# Altium PCB PCB1.PcbDoc (part 1 of 5)
Units mm, origin at the board's own origin, x right, y up, seen from the top; angles counter-clockwise.
Board outline 200 x 70 mm, 6 copper layers (Top Layer, Int1 (GND), Int2 (Sign), Int3 (Sign), Int4 (GND), Bottom Layer), stack 1.597 mm thick; 431 components, 275 nets, 1294 pads, 544 vias.
Unrouted connection lines stored in the file: 265.
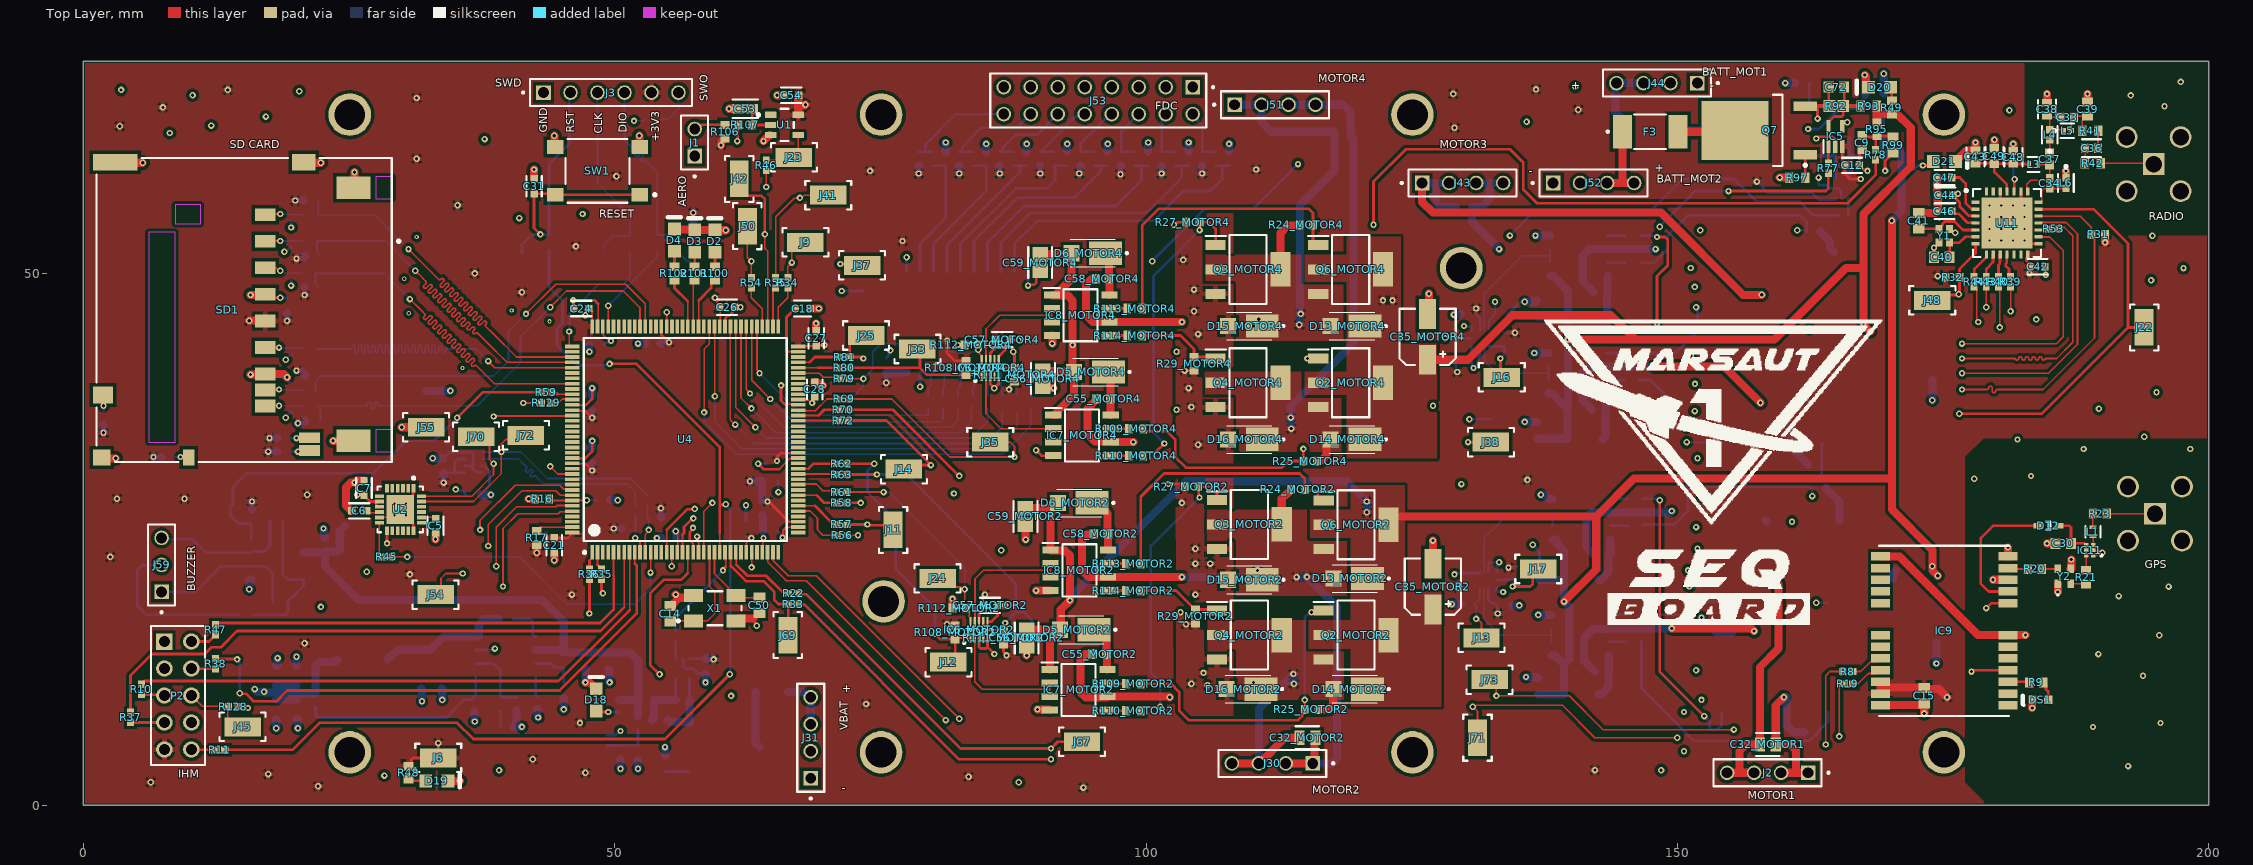
[diagram p0: Top Layer view]
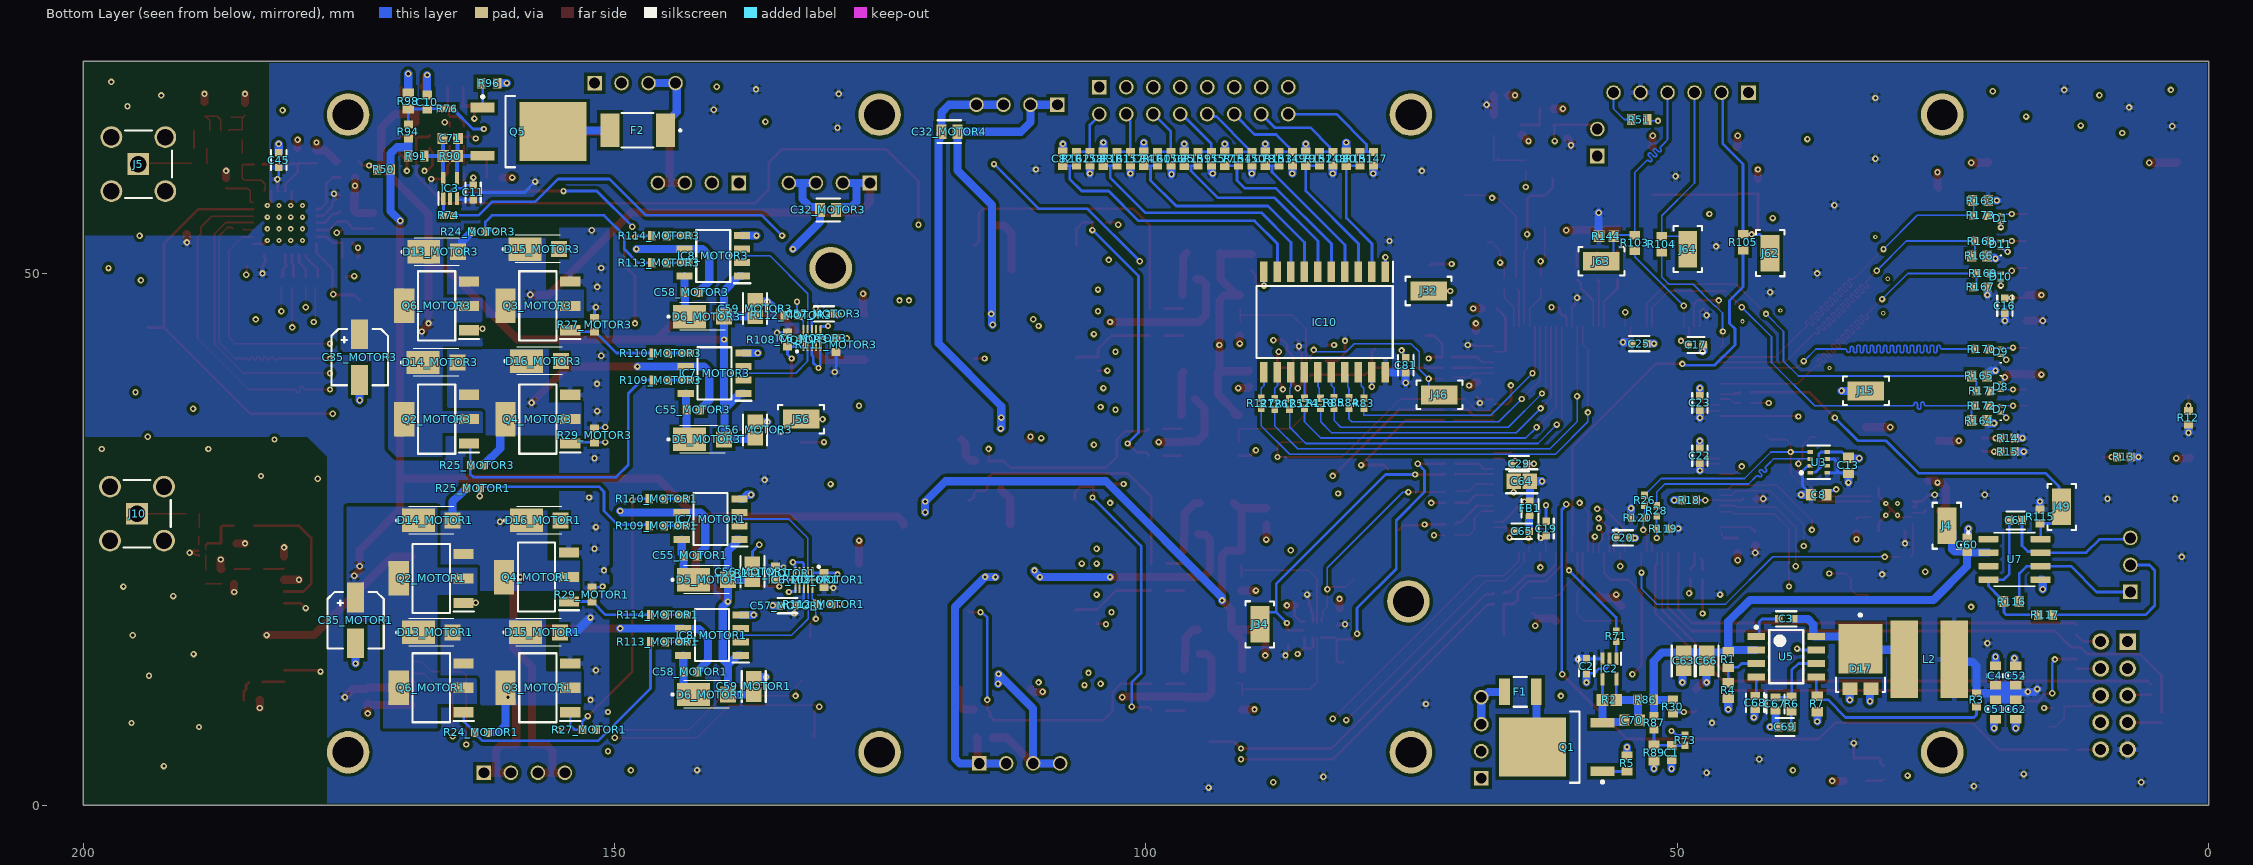
[diagram p1: Bottom Layer view, seen from below]
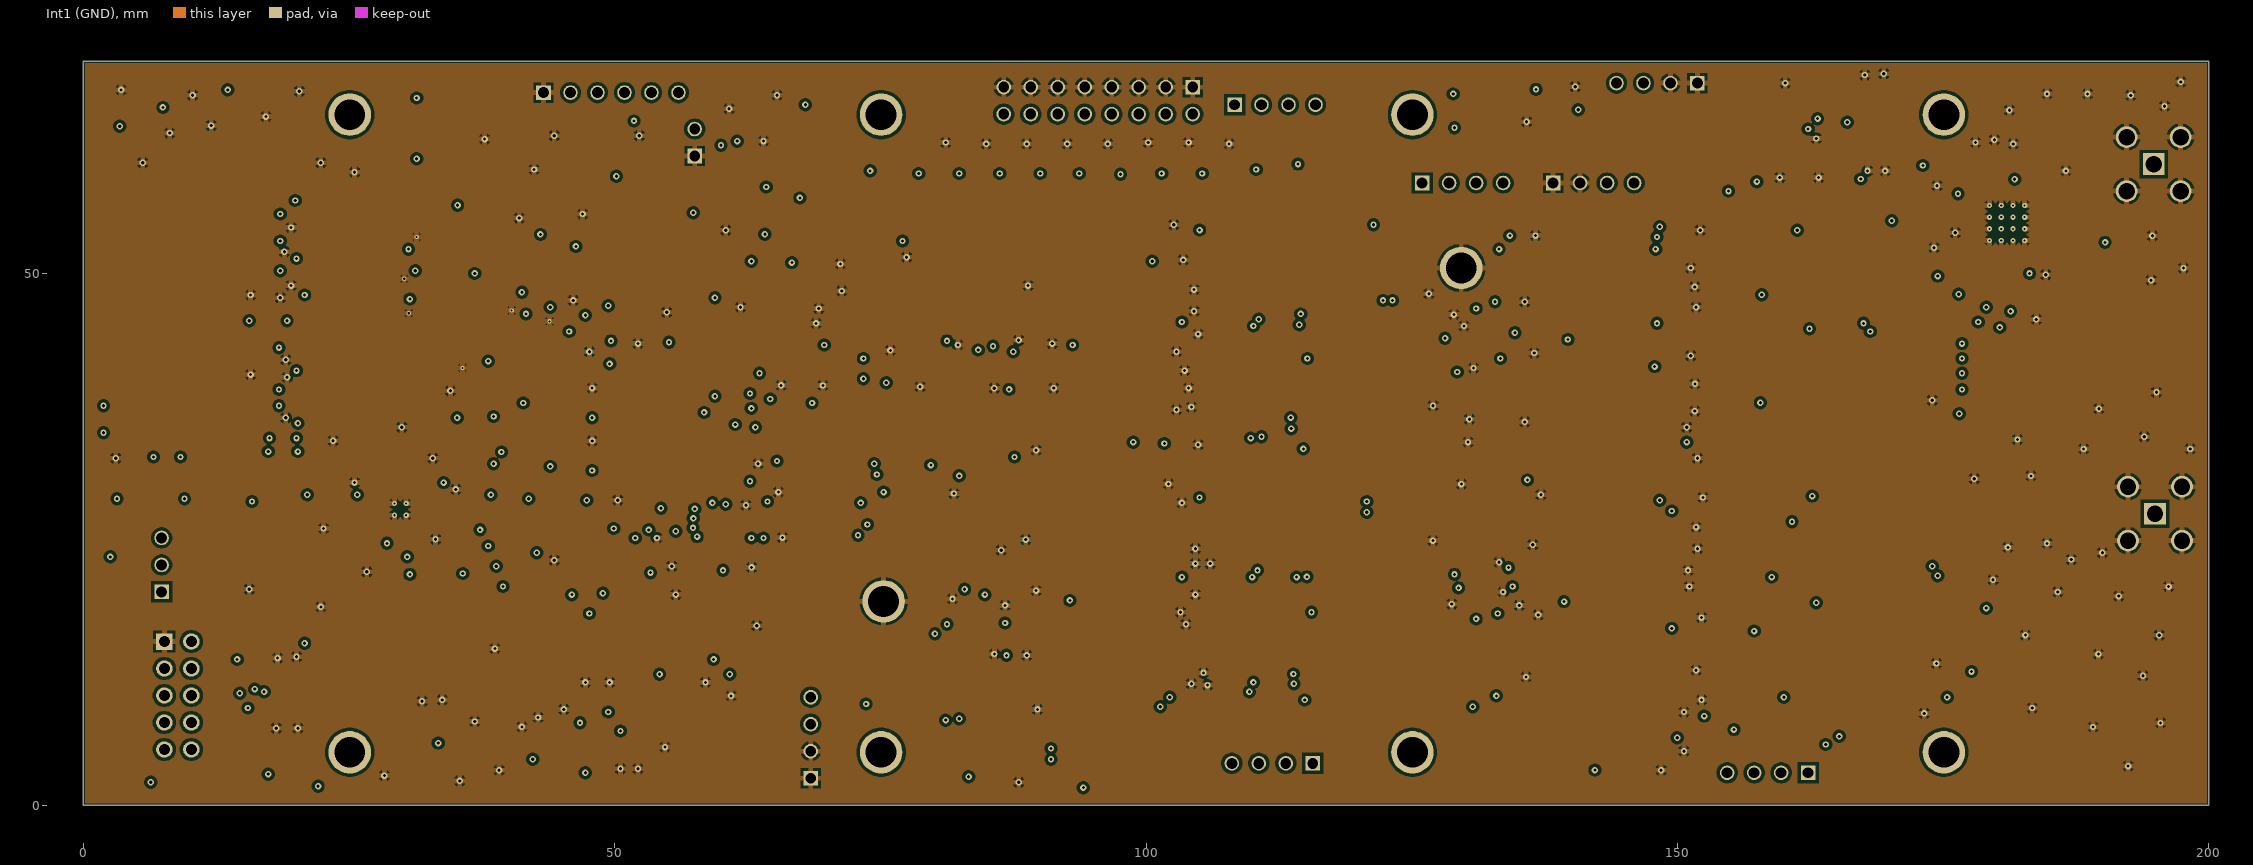
[diagram p2: Int1 (GND)]
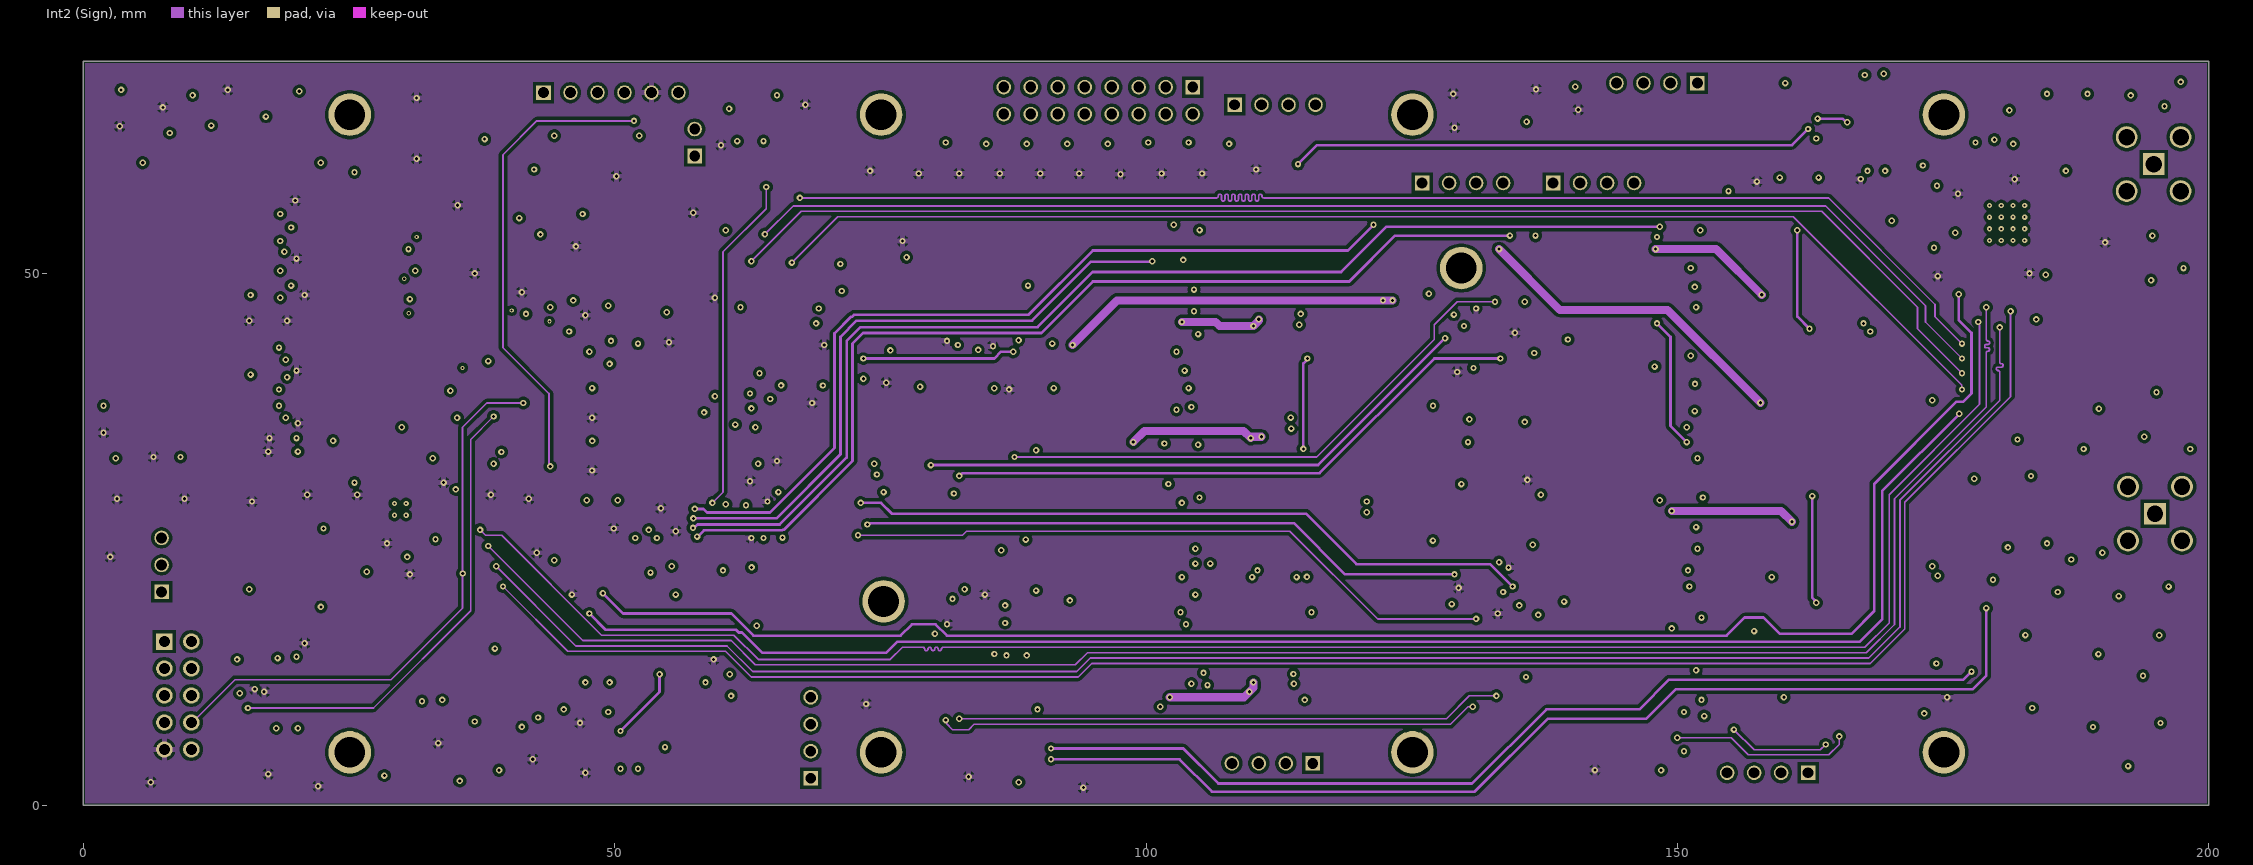
[diagram p3: Int2 (Sign)]
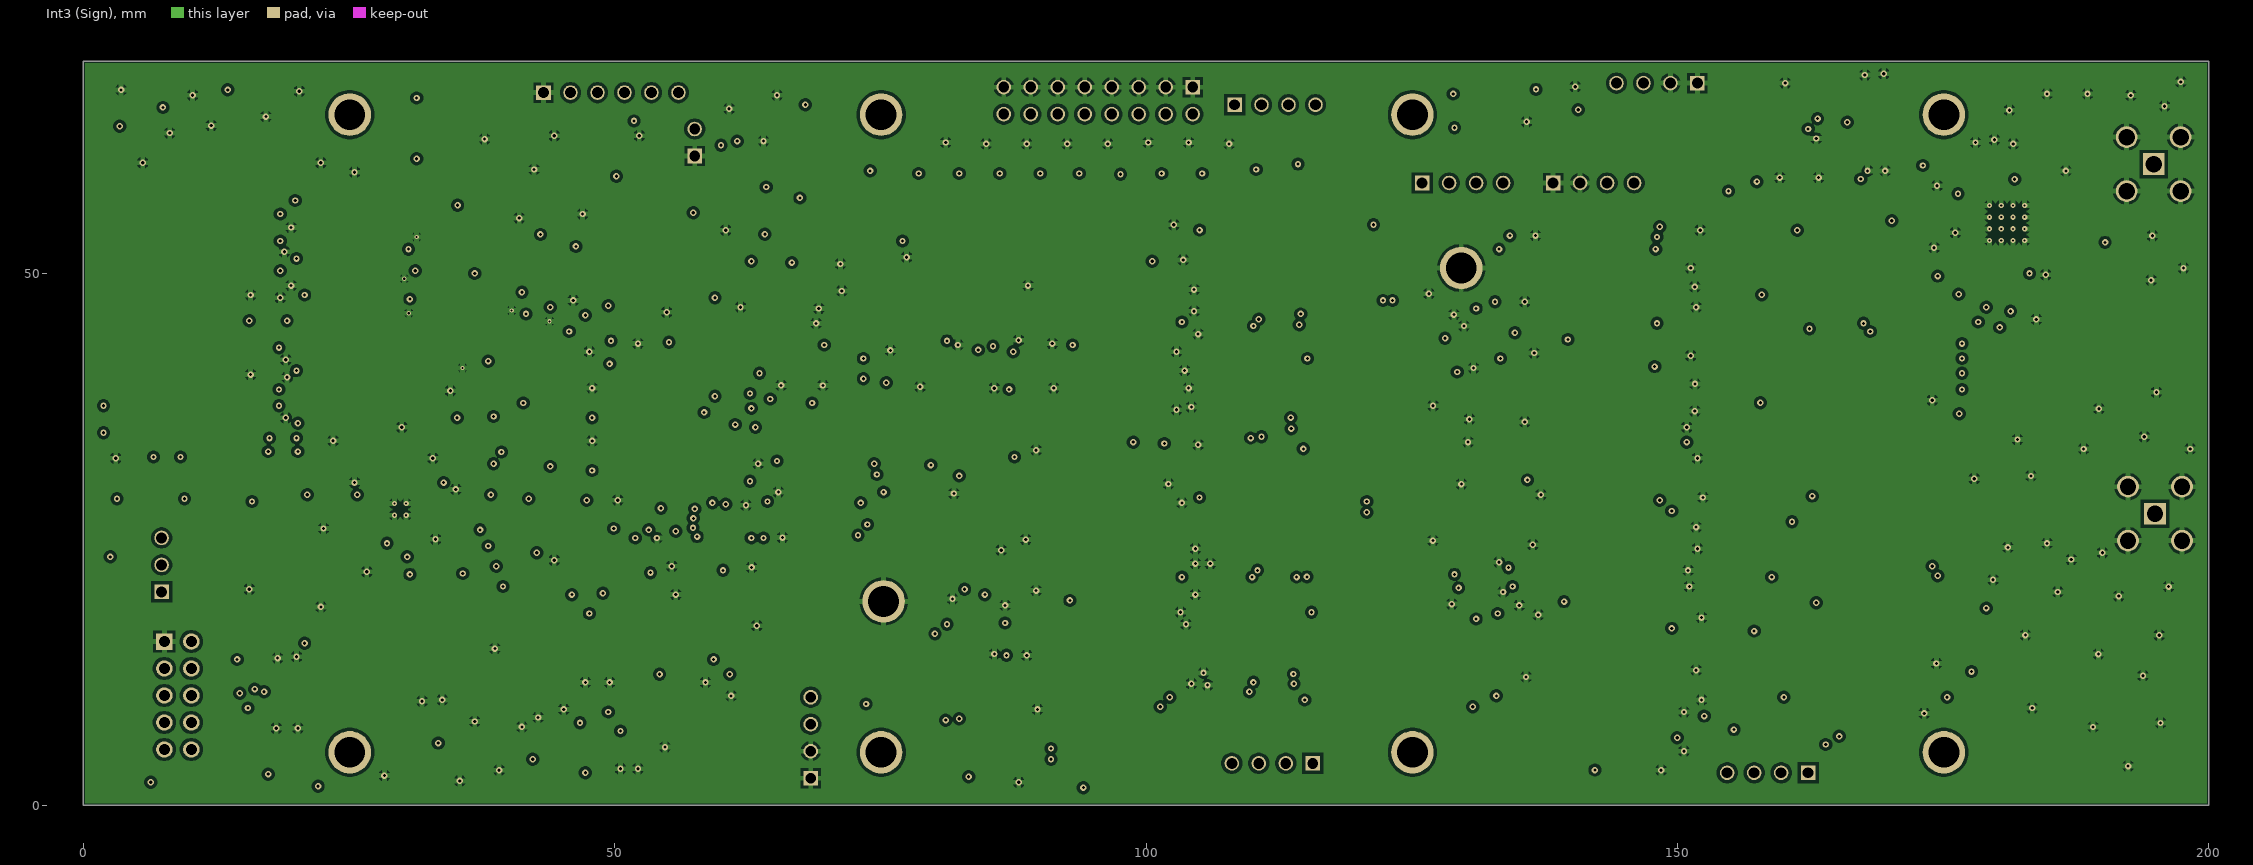
[diagram p4: Int3 (Sign)]
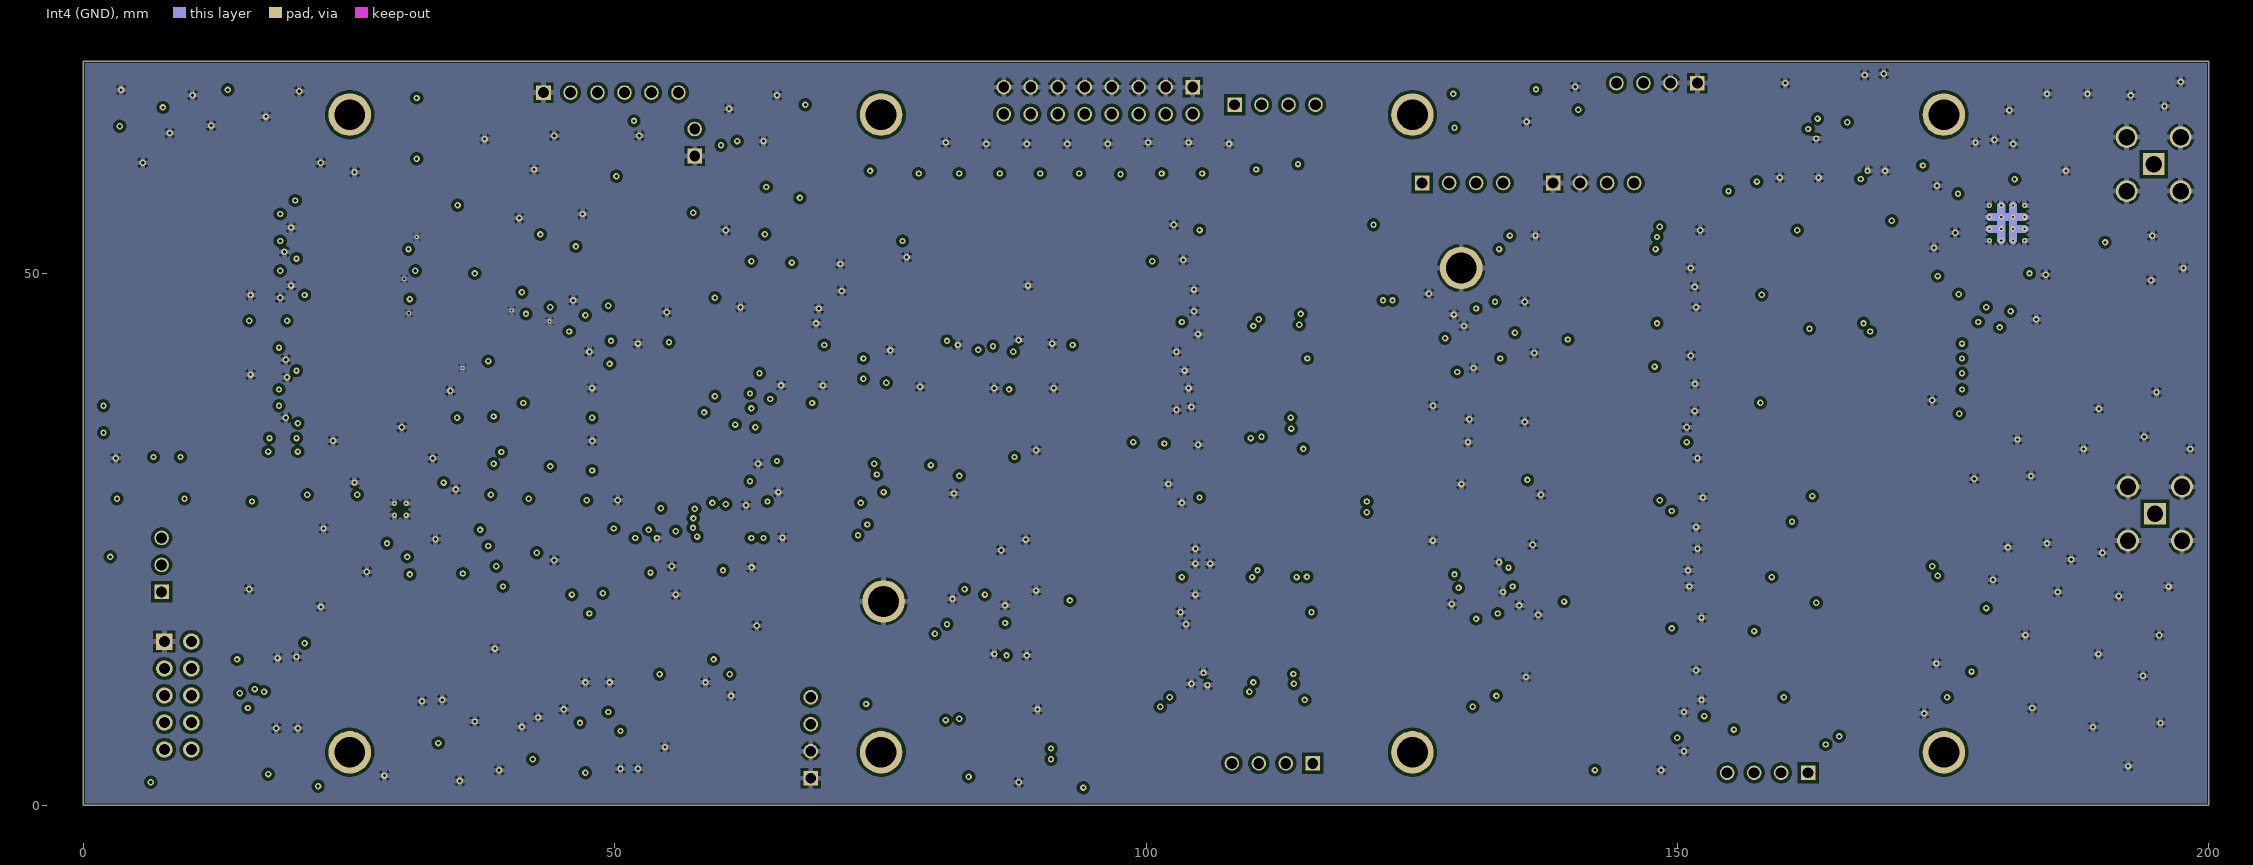
[diagram p5: Int4 (GND)]
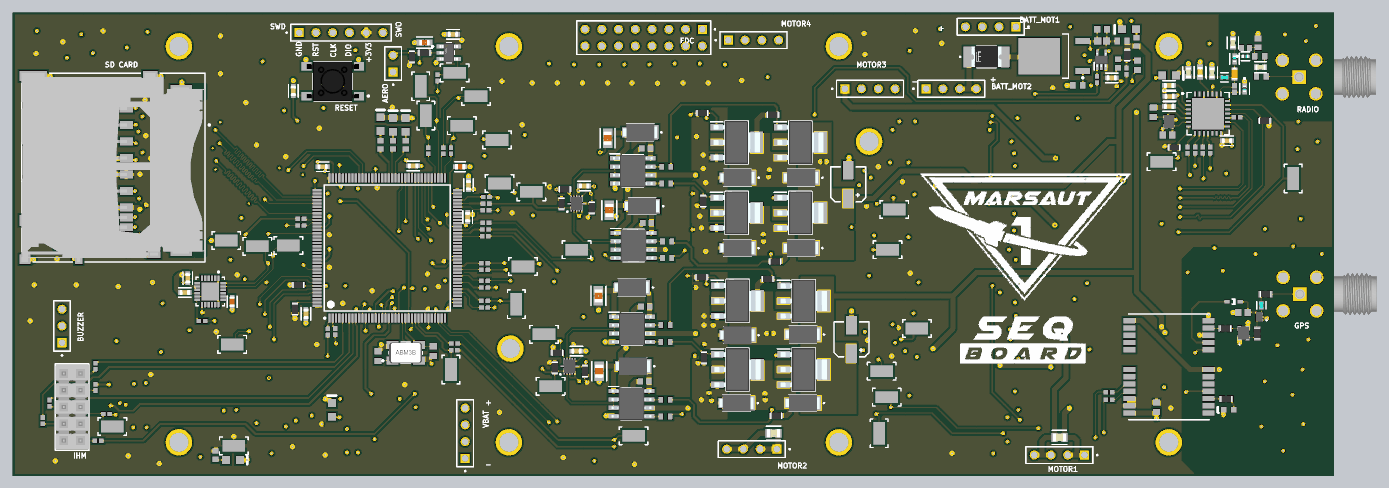
[diagram p10: 3D render of the assembled board from above, using the file's embedded part models]
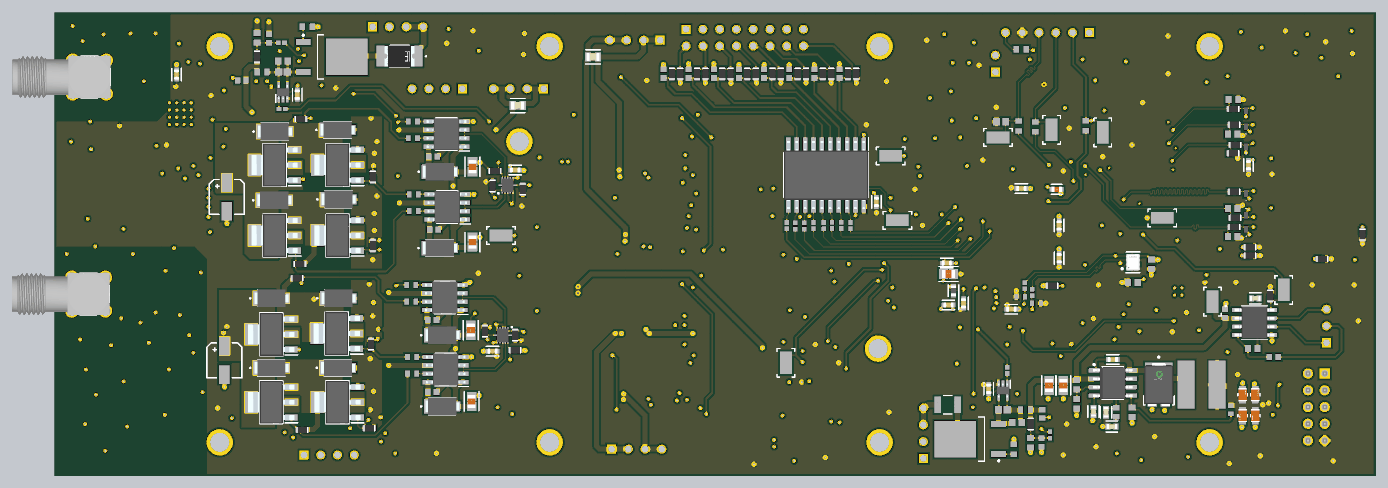
[diagram p11: 3D render of the assembled board from below, using the file's embedded part models]

## Layer stack, top to bottom
Top Solder: solder mask 0.0254, SM-001, Dk 4
Top Layer: signal copper 0.035
Dielectric 1: prepreg 0.1, PP-006, Dk 4.1
Int1 (GND): signal copper 0.0175
Dielectric 3: core 0.565, Core-035, Dk 4.7
Int2 (Sign): signal copper 0.0175
Dielectric 4: prepreg 0.0635, PP-006, Dk 4.1
Dielectric 5: prepreg 0.0635, PP-006, Dk 4.1
Int3 (Sign): signal copper 0.0175
Dielectric 6: core 0.565, Core-035, Dk 4.7
Int4 (GND): signal copper 0.0175
Dielectric 8: prepreg 0.1, PP-006, Dk 4.1
Bottom Layer: signal copper 0.035
Bottom Solder: solder mask 0.0254, SM-001, Dk 4

## Board outline
0,0 0,70 200,70 200,0

## Design rules (kind name [scope] priority, off if disabled: settings)
BoardOutlineClearance [All] p1: gap=0.2 ignorepadtopadclearanceinfootprint=FALSE
Clearance HF_1 [InNetClass('HF')] p1: gap=0.3 ignorepadtopadclearanceinfootprint=TRUE except(0.127: SMDPad-SMDPad; 0.2: Arc-Arc Arc-Track Arc-SMDPad Arc-THPad Track-Track Track-SMDPad Track-THPad; 0.254: Arc-Via Track-Via; 0.33: Arc-Hole Track-Hole; 0.5: THPad-THPad)
Clearance [All] p2: gap=0.3 ignorepadtopadclearanceinfootprint=TRUE except(0.089: Arc-Arc Arc-Track Track-Track; 0.127: SMDPad-SMDPad; 0.2: Arc-SMDPad Arc-THPad Track-SMDPad Track-THPad; 0.254: Arc-Via Track-Via; 0.33: Arc-Hole Track-Hole; 0.5: THPad-THPad)
DiffPairsRouting [All] p1 off: maxlimit=0.254 minlimit=0.254 mostfreqgap=0.254 toplayer_minwidth=0.381 toplayer_maxwidth=0.381 toplayer_prefwidth=0.381 midlayer1_minwidth=0.381 midlayer1_maxwidth=0.381 midlayer1_prefwidth=0.381 midlayer2_minwidth=0.381 midlayer2_maxwidth=0.381 midlayer2_prefwidth=0.381 midlayer3_minwidth=0.381 midlayer3_maxwidth=0.381 midlayer3_prefwidth=0.381 midlayer4_minwidth=0.381 midlayer4_maxwidth=0.381 midlayer4_prefwidth=0.381 bottomlayer_minwidth=0.381 bottomlayer_maxwidth=0.381 bottomlayer_prefwidth=0.381 maxuncoupledlength=12.7
HoleSize [All] p1: absolutevalues=TRUE maxlimit=6.3 minlimit=0.2 maxpercent=80.000 minpercent=20.000
HoleToHoleClearance [All] p1: gap=0.5 allowstackedmicrovias=TRUE
MatchedLengths MatchLengths_xSignals_U4_U3 [InxSignalClass('xSignals_U4_U3_MatchLengthsClass')] p1: tolerance=2.54 checknetsindiffpair=FALSE checkdiffpairvsdiffpair=TRUE checkxsignals=TRUE checkothers=TRUE
MatchedLengths MatchLengths_xSignals_P1_U4 [InxSignalClass('xSignals_P1_U4_MatchLengthsClass')] p2: tolerance=2.54 checknetsindiffpair=FALSE checkdiffpairvsdiffpair=TRUE checkxsignals=TRUE checkothers=TRUE
MatchedLengths MatchLengths_xSignals_U4_U5 [InxSignalClass('xSignals_U4_U5_MatchLengthsClass')] p3: tolerance=2.54 checknetsindiffpair=FALSE checkdiffpairvsdiffpair=TRUE checkxsignals=TRUE checkothers=TRUE
MatchedLengths MatchLengths_xSignals_U11_U4_2 [InxSignalClass('xSignals_U11_U4_MatchLengthsClass_2')] p4: tolerance=2.54 checknetsindiffpair=FALSE checkdiffpairvsdiffpair=TRUE checkxsignals=TRUE checkothers=TRUE
MatchedLengths MatchLengths_xSignals_U11_U4_1 [InxSignalClass('xSignals_U11_U4_MatchLengthsClass_1')] p5: tolerance=2.54 checknetsindiffpair=FALSE checkdiffpairvsdiffpair=TRUE checkxsignals=TRUE checkothers=TRUE
MatchedLengths MatchLengths_xSignals_U11_U4 [InxSignalClass('xSignals_U11_U4_MatchLengthsClass')] p6: tolerance=2 checknetsindiffpair=FALSE checkdiffpairvsdiffpair=TRUE checkxsignals=TRUE checkothers=TRUE
MatchedLengths MatchLengths_xSignals_J79_U4 [InxSignalClass('xSignals_J79_U4_MatchLengthsClass')] p7: tolerance=2 checknetsindiffpair=FALSE checkdiffpairvsdiffpair=TRUE checkxsignals=TRUE checkothers=TRUE
MatchedLengths MatchLengths_xSignals_U2_U4 [InxSignalClass('xSignals_U2_U4_MatchLengthsClass')] p8: tolerance=2 checknetsindiffpair=FALSE checkdiffpairvsdiffpair=TRUE checkxsignals=TRUE checkothers=TRUE
MatchedLengths MatchLengths_xSignals_SD1_U4 [InxSignalClass('xSignals_SD1_U4_MatchLengthsClass')] p9: tolerance=2 checknetsindiffpair=FALSE checkdiffpairvsdiffpair=TRUE checkxsignals=TRUE checkothers=TRUE
MatchedLengths MatchLengths_xSignals_SD_1 [InxSignalClass('xSignals_U3_U4_MatchLengthsClass')] p10: tolerance=2.54 checknetsindiffpair=FALSE checkdiffpairvsdiffpair=TRUE checkxsignals=TRUE checkothers=TRUE usedelayunits=TRUE delaytolerance=50.000000
MatchedLengths MatchLengths_U3_Passives_U4 [InxSignalClass('xSignals_U3_Passives_U4_MatchLengthsClass')] p11: tolerance=1.27 checknetsindiffpair=FALSE checkdiffpairvsdiffpair=TRUE checkxsignals=TRUE checkothers=TRUE
MatchedLengths MatchLengths_xSignals_U3_Passives [InxSignalClass('xSignals_U3_Passives_MatchLengthsClass')] p12: tolerance=1.27 checknetsindiffpair=FALSE checkdiffpairvsdiffpair=TRUE checkxsignals=TRUE checkothers=TRUE
MatchedLengths MatchLengths_xSignals_SD [InxSignalClass('xSignals_SD_MatchLengthsClass')] p13: tolerance=2.54 checknetsindiffpair=FALSE checkdiffpairvsdiffpair=TRUE checkxsignals=TRUE checkothers=TRUE
PolygonConnect PolygonConnect_1 [InNet('HOT_L_MOTOR1') Or  InNet('HOT_L_MOTOR2') Or  InNet('HOT_L_MOTOR3') Or  InNet('HOT_L_MOTOR4')  Or  InNet('HOT_R_MOTOR1')  Or  InNet('HOT_R_MOTOR2')Or  InNet('HOT_R_MOTOR3') Or  InNet('HOT_R_MOTOR4')Or  InNet('VCC_PWR_MOTOR1')    Or  InNet('VCC_PWR_MOTOR3')] p1: thpad.connectstyle=Direct thpad.reliefconductorwidth=0.5 thpad.reliefentries=4 thpad.polygonreliefangle="90 Angle" thpad.airgapwidth=0.254 smdpad.connectstyle=Direct smdpad.reliefconductorwidth=0.5 smdpad.reliefentries=4 smdpad.polygonreliefangle="90 Angle" smdpad.airgapwidth=0.254 via.connectstyle=Relief via.reliefconductorwidth=0.5 via.reliefentries=4 via.polygonreliefangle="90 Angle" via.airgapwidth=0.254
PolygonConnect [All] p2: connectstyle=Relief reliefconductorwidth=0.5 reliefentries=4 polygonreliefangle="90 Angle" airgapwidth=0.254
RoutingVias [All] p1: holewidth=0.3 width=0.6 viastyle="Through Hole" minholewidth=0.2 minwidth=0.4 maxholewidth=0.3 maxwidth=0.6
SolderMaskExpansion [All] p1: expansion=0.102 istentingtop=FALSE
UnRoutedNet [All] p1: checkbadconnections=TRUE
Width HF [InNetClass('HF')] p1: maxlimit=0.159 minlimit=0.156 preferedwidth=0.159 toplayer_maxwidth=0.156 toplayer_prefwidth=0.156 midlayer1_minwidth=0.159 midlayer2_minwidth=0.159 bottomlayer_maxwidth=0.156 bottomlayer_prefwidth=0.156 impedanceprofiledriven=TRUE impedanceprofileid={DCA6A961-8FFC-4B95-82B8-A4B979C5D3F6} impedanceprofilevalue=50.000000 minimp=50.000000 maximp=50.000000 favimp=50.000000
Width PWR [InNetClass('PWR')] p2: maxlimit=0.762 minlimit=0.254 preferedwidth=0.762
Width [All] p3: maxlimit=0.254 minlimit=0.089 preferedwidth=0.254
26 further rules are at their usual default settings.

## Classes and differential pairs
component class FIN_COURSE: C77 C78 C79 C80 C81 C82 C83 C84 C85 IC10 R147 R148 R149 R150 R151 R152 R153 R154 R155 R156 R157 R158 R159 R160 R161 R162
differential pair class shunt_SEQ: shunt_SEQ
differential pair class shunt_M34: shunt_M34
differential pair class shunt_M12: shunt_M12
component class Buzzer: C60 C61 J59 R115 R116 R117 U7
channel class MOTOR: MOTOR1 MOTOR2 MOTOR3 MOTOR4
component class RADIO: C33 C34 C36 C37 C38 C39 C40 C41 C42 C43 C44 C45 C46 C47 C48 C49 J5 L3 L4 L5 L6 R31 R32 R41 R42 U11 Y1
component class MOTOR4: C32_MOTOR4 C35_MOTOR4 C55_MOTOR4 C56_MOTOR4 C57_MOTOR4 C58_MOTOR4 C59_MOTOR4 D5_MOTOR4 D6_MOTOR4 D13_MOTOR4 D14_MOTOR4 D15_MOTOR4 D16_MOTOR4 IC6_MOTOR4 IC7_MOTOR4 IC8_MOTOR4 Q2_MOTOR4 Q3_MOTOR4 Q4_MOTOR4 Q6_MOTOR4 R24_MOTOR4 R25_MOTOR4 R27_MOTOR4 R29_MOTOR4 R108_MOTOR4 R109_MOTOR4 R110_MOTOR4 R111_MOTOR4 R112_MOTOR4 R113_MOTOR4 R114_MOTOR4
component class MOTOR3: C32_MOTOR3 C35_MOTOR3 C55_MOTOR3 C56_MOTOR3 C57_MOTOR3 C58_MOTOR3 C59_MOTOR3 D5_MOTOR3 D6_MOTOR3 D13_MOTOR3 D14_MOTOR3 D15_MOTOR3 D16_MOTOR3 IC6_MOTOR3 IC7_MOTOR3 IC8_MOTOR3 Q2_MOTOR3 Q3_MOTOR3 Q4_MOTOR3 Q6_MOTOR3 R24_MOTOR3 R25_MOTOR3 R27_MOTOR3 R29_MOTOR3 R108_MOTOR3 R109_MOTOR3 R110_MOTOR3 R111_MOTOR3 R112_MOTOR3 R113_MOTOR3 R114_MOTOR3
component class MOTOR2: C32_MOTOR2 C35_MOTOR2 C55_MOTOR2 C56_MOTOR2 C57_MOTOR2 C58_MOTOR2 C59_MOTOR2 D5_MOTOR2 D6_MOTOR2 D13_MOTOR2 D14_MOTOR2 D15_MOTOR2 D16_MOTOR2 IC6_MOTOR2 IC7_MOTOR2 IC8_MOTOR2 Q2_MOTOR2 Q3_MOTOR2 Q4_MOTOR2 Q6_MOTOR2 R24_MOTOR2 R25_MOTOR2 R27_MOTOR2 R29_MOTOR2 R108_MOTOR2 R109_MOTOR2 R110_MOTOR2 R111_MOTOR2 R112_MOTOR2 R113_MOTOR2 R114_MOTOR2
net class PWR: +3V3 +3V3_A +9V +VBAT +VBAT_MOTOR1 +VBAT_MOTOR2 GND HOT_L_MOTOR1 HOT_L_MOTOR2 HOT_L_MOTOR3 HOT_L_MOTOR4 HOT_R_MOTOR1 HOT_R_MOTOR2 HOT_R_MOTOR3 HOT_R_MOTOR4 NetC3_1 NetC55_MOTOR1_2 NetC55_MOTOR2_2 NetC55_MOTOR3_2 NetC55_MOTOR4_2 NetC58_MOTOR1_2 NetC58_MOTOR2_2 NetC58_MOTOR3_2 NetC58_MOTOR4_2 NetF1_2 NetF2_2 NetF3_2 shunt_M12_N shunt_M12_P shunt_M34_N shunt_M34_P shunt_SEQ_N shunt_SEQ_P VCC_PWR_MOTOR1 VCC_PWR_MOTOR3
net class HF: \CS_RADIO AEROCONTACT CLK_SD CMD_SD DATA0_SD DATA1_SD DATA2_SD DATA3_SD INT_IMU MOSI_RADIO NetC33_1 NetC33_2 NetC34_1 NetC34_2 NetC36_1 NetC36_2 NetC37_1 NetIC7_MOTOR1_5 NetIC7_MOTOR1_7 NetIC7_MOTOR2_5 NetIC7_MOTOR2_7 NetIC7_MOTOR3_5 NetIC7_MOTOR3_7 NetIC7_MOTOR4_5 NetIC7_MOTOR4_7 NetIC8_MOTOR1_5 NetIC8_MOTOR1_7 NetIC8_MOTOR2_5 NetIC8_MOTOR2_7 NetIC8_MOTOR3_5 NetIC8_MOTOR3_7 NetIC8_MOTOR4_5 NetIC8_MOTOR4_7 NetIC9_11 NetIC9_20 NetIC9_21 NetIC10_11 NetIC10_12 NetIC10_13 NetIC10_14 NetIC10_15 NetIC10_16 NetIC10_17 NetIC10_18 NetIC11_3 NetIC11_6 NetJ5_1 NetJ10_1 NetJ70_1 NetJ71_1 NetJ72_1 NetJ73_1 NetL1_1 NetR20_1 NetR21_2 NetR34_1 NetR39_1 NetR40_1 NetR43_1 NetR44_1 NetR45_1 NetR46_1 NetR51_1 NetR53_2 NetR54_1 NetR55_1 NetR56_2 NetR61_2 NetR69_2 NetR79_2 NetR83_2 NetR84_2 NetR85_2 NetR103_2 NetR104_2 NetR118_2 NetR124_2 NetR125_2 NetR126_2 NetR127_2 NetR128_2 NetR129_2 PWM_M1 PWM_M1_CW_MOTOR1 PWM_M1_CW_MOTOR2 PWM_M1_CW_MOTOR3 PWM_M1_CW_MOTOR4 PWM_M1_NCW_MOTOR1 PWM_M1_NCW_MOTOR2 PWM_M1_NCW_MOTOR3 PWM_M1_NCW_MOTOR4 PWM_M2 PWM_M3 PWM_M4 SCK_RADIO SDCLK SDCMD SDDATA0 SDDATA1 SDDATA2 SDDATA3 SWCLK SWDIO SWO UART_RX UART_TX XTAL_IN XTAL_OUT
component class SENSORS: C5 C6 C7 C8 C13 C15 C30 C53 C54 D12 DS1 IC9 IC11 J10 J70 J72 L1 R9 R20 R21 R23 R106 R107 U1 U2 U3 Y2
component class "POWER SUPPLIES": C1 C2 C3 C4 C9 C10 C11 C12 C51 C52 C62 C63 C66 C67 C68 C69 C70 C71 C72 D17 D18 D19 D20 D21 F1 F2 F3 IC2 IC3 IC5 L2 Q1 Q5 Q7 R1 R2 R3 R4 R5 R6 R7 R30 R48 R49 R50 R86 R87 R89 R90 R91 R92 R93 R94 R95 R96 R97 R98 R99 U5
component class MOTOR1: C32_MOTOR1 C35_MOTOR1 C55_MOTOR1 C56_MOTOR1 C57_MOTOR1 C58_MOTOR1 C59_MOTOR1 D5_MOTOR1 D6_MOTOR1 D13_MOTOR1 D14_MOTOR1 D15_MOTOR1 D16_MOTOR1 IC6_MOTOR1 IC7_MOTOR1 IC8_MOTOR1 Q2_MOTOR1 Q3_MOTOR1 Q4_MOTOR1 Q6_MOTOR1 R24_MOTOR1 R25_MOTOR1 R27_MOTOR1 R29_MOTOR1 R108_MOTOR1 R109_MOTOR1 R110_MOTOR1 R111_MOTOR1 R112_MOTOR1 R113_MOTOR1 R114_MOTOR1
component class MICROCONTROLLER: C14 C17 C18 C19 C20 C21 C22 C23 C24 C25 C26 C27 C28 C29 C31 C50 C64 C65 D2 D3 D4 FB1 J3 J62 J63 J64 R16 R17 R18 R51 R100 R101 R102 R103 R104 R105 R119 R120 R144 SW1 U4 X1
component class MEMORIES: C16 D1 D7 D8 D9 D10 D11 R12 R13 R14 R15 R163 R164 R165 R166 R167 R168 R169 R170 R171 R172 R173 SD1
component class MAIN: J1 J2 J4 J6 J9 J11 J12 J13 J14 J15 J16 J17 J22 J23 J24 J25 J30 J31 J32 J33 J34 J35 J37 J38 J41 J42 J43 J44 J45 J46 J48 J49 J50 J51 J52 J53 J54 J55 J56 J67 J69 J71 J73 P2 R8 R10 R11 R19 R22 R26 R28 R33 R34 R35 R36 R37 R38 R39 R40 R43 R44 R45 R46 R47 R53 R54 R55 R56 R57 R58 R59 R61 R62 R63 R69 R70 R71 R72 R73 R74 R76 R77 R78 R79 R80 R81 R83 R84 R85 R118 R124 R125 R126 R127 R128 R129
differential pair shunt_SEQ: +shunt_SEQ_P -shunt_SEQ_N
differential pair shunt_M34: +shunt_M34_P -shunt_M34_N
differential pair shunt_M12: +shunt_M12_P -shunt_M12_N
